# Altium PCB USB HUB3.0-PCB.PcbDoc (part 3 of 3)
Units mil, origin at the board's own origin, x right, y up, seen from the top; angles counter-clockwise.
Board outline 2950 x 3195 mil, 4 copper layers (TOP, GND02, PWR03, BOTTOM), stack 61.811 mil thick; 109 components, 81 nets, 1499 pads, 622 vias.
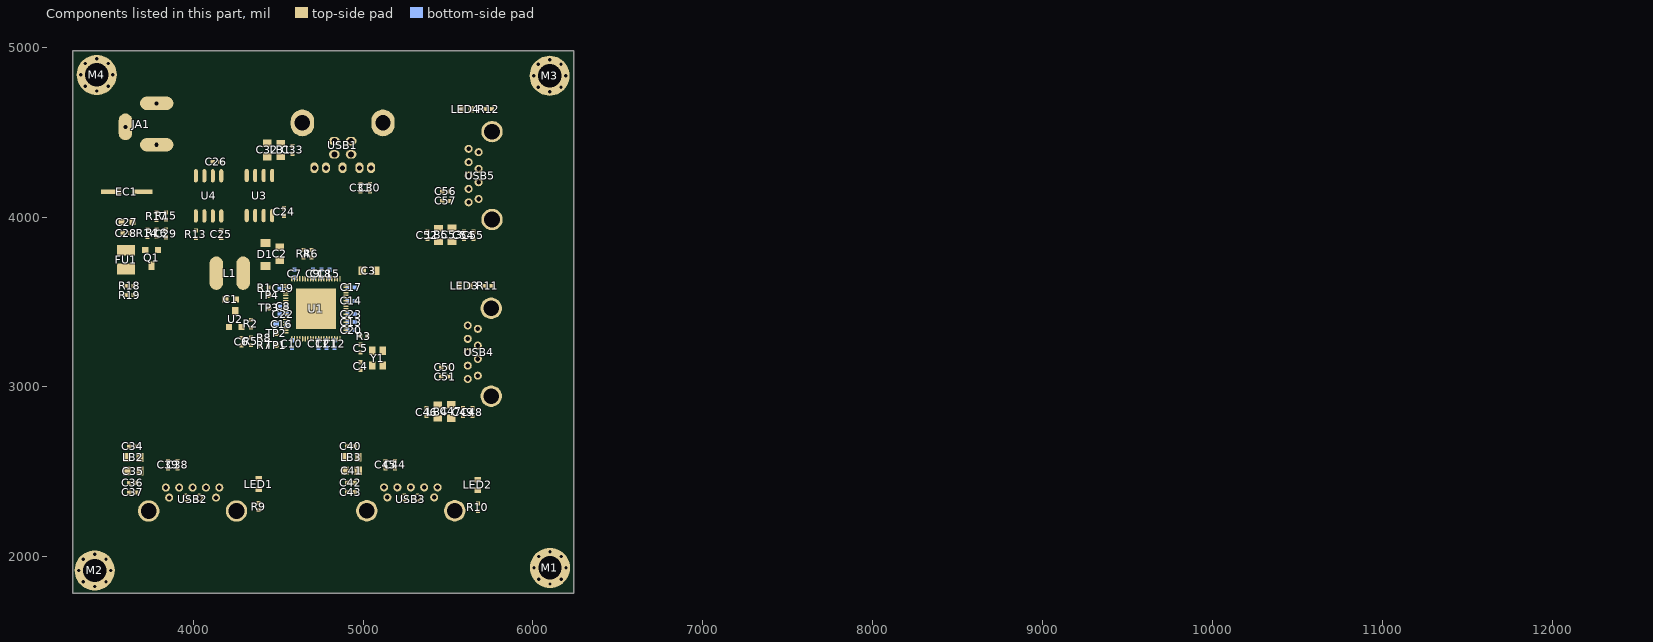
[diagram p5: the components of this part, seen from the top]

## Silkscreen, mask and mechanical layers (free items; w line width, h text height) (continued)
Drill Drawing:
  circle w10: c373.12,8183.33 r33.33
  circle w10: c373.12,7133.33 r20
  circle w10: c373.12,7133.33 r33.33
  lines w10: 339.79,6716.67 406.45,6716.67 373.12,6650 339.79,6716.67 ; 339.79,6800 339.79,6816.67 356.45,6833.33 339.79,6850 339.79,6866.67 356.45,6866.67 373.12,6850 389.79,6866.67 406.45,6866.67 406.45,6850 389.79,6833.33 406.45,6816.67 406.45,6800 389.79,6800 373.12,6816.67 356.45,6800 339.79,6800 ; 339.79,6983.33 373.12,6950 406.45,6983.33 373.12,7016.67 339.79,6983.33 ; 339.79,7266.67 356.45,7266.67 356.45,7250 389.79,7250 389.79,7266.67 406.45,7266.67 406.45,7300 389.79,7300 389.79,7316.67 356.45,7316.67 356.45,7300 339.79,7300 339.79,7266.67 ; 339.79,7400 373.12,7416.67 406.45,7400 389.79,7433.33 406.45,7466.67 373.12,7450 339.79,7466.67 356.45,7433.33 339.79,7400 ; 339.79,7550 406.45,7550 406.45,7616.67 339.79,7616.67 339.79,7550 ; 339.79,7766.67 406.45,7766.67 373.12,7700 339.79,7766.67 ; 339.79,7866.67 356.45,7866.67 373.12,7850 389.79,7866.67 406.45,7866.67 389.79,7883.33 406.45,7900 389.79,7900 373.12,7916.67 356.45,7900 339.79,7900 356.45,7883.33 339.79,7866.67 ; 339.79,8000 406.45,8000 406.45,8066.67 339.79,8066.67 339.79,8000 ; 353.12,6703.33 393.12,6703.33 373.12,6663.33 353.12,6703.33 ; 353.12,7563.33 393.12,7563.33 393.12,7603.33 353.12,7603.33 353.12,7563.33
  lines w15: 280,6605 13628.24,6605 ; 280,8255 13628.24,8255 ; 830.87,6455 830.87,8405 ; 1420.72,6455 1420.72,8405 ; 2570.38,6455 2570.38,8405 ; 3076.26,6455 3076.26,8405 ; 3810.06,6455 3810.06,8405 ; 4999.71,6455 4999.71,8405 ; 5589.56,6455 5589.56,8405 ; 6335.36,6455 6335.36,8405 ; 7555,6455 7555,8405 ; 8408.76,6455 8408.76,8405 ; 9742.37,6455 9742.37,8405 ; 11075.98,6455 11075.98,8405 ; 12225.64,6455 12225.64,8405 ; 280,6455 13628.24,6455 13628.24,8405 280,8405 280,6455
  text "Symbol" at 370,8300 h72
  text "Count" at 875.87,8300 h72
  text "Hole Size" at 1465.72,8300 h72
  text "Plated" at 2615.38,8300 h72
  text "Hole Type" at 3121.26,8300 h72
  text "Drill Layer Pair" at 3855.06,8300 h72
  text "Via/Pad" at 5044.71,8300 h72
  text "Pad Shape" at 5634.56,8300 h72
  text "Template" at 6380.36,8300 h72
  text "Description" at 7600,8300 h72
  text "Hole Tolerance (+)" at 8453.76,8300 h72
  text "Hole Tolerance (-)" at 9787.37,8300 h72
  text "Hole Length" at 11120.98,8300 h72
  text "Routed Path Length" at 12270.64,8300 h72
  text "1" at 875.87,8150 h60
  text "23.62mil (0.600mm)" at 1465.72,8150 h60
  text "PTH" at 2615.38,8150 h60
  text "Slot" at 3121.26,8150 h60
  text "TOP - BOTTOM" at 3855.06,8150 h60
  text "Pad" at 5044.71,8150 h60
  text "Rounded" at 5634.56,8150 h60
  text "r400_200h60_250r100" at 6380.36,8150 h60
  text "98.43mil (2.500mm)" at 11120.98,8150 h60
  text "74.80mil (1.900mm)" at 12270.64,8150 h60
  text "2" at 875.87,8000 h60
  text "23.62mil (0.600mm)" at 1465.72,8000 h60
  text "PTH" at 2615.38,8000 h60
  text "Slot" at 3121.26,8000 h60
  text "TOP - BOTTOM" at 3855.06,8000 h60
  text "Pad" at 5044.71,8000 h60
  text "Rounded" at 5634.56,8000 h60
  text "r500_200h60_350r100" at 6380.36,8000 h60
  text "137.79mil (3.500mm)" at 11120.98,8000 h60
  text "114.17mil (2.900mm)" at 12270.64,8000 h60
  text "2" at 875.87,7850 h60
  text "90.55mil (2.300mm)" at 1465.72,7850 h60
  text "PTH" at 2615.38,7850 h60
  text "Round" at 3121.26,7850 h60
  text "TOP - BOTTOM" at 3855.06,7850 h60
  text "Pad" at 5044.71,7850 h60
  text "Rounded" at 5634.56,7850 h60
  text "r350_400h230r100" at 6380.36,7850 h60
  text "-" at 11120.98,7850 h60
  text "-" at 12270.64,7850 h60
  text "4" at 875.87,7700 h60
  text "36.22mil (0.920mm)" at 1465.72,7700 h60
  text "PTH" at 2615.38,7700 h60
  text "Round" at 3121.26,7700 h60
  text "TOP - BOTTOM" at 3855.06,7700 h60
  text "Pad" at 5044.71,7700 h60
  text "Rounded" at 5634.56,7700 h60
  text "r160_127h92r100" at 6380.36,7700 h60
  text "-" at 11120.98,7700 h60
  text "-" at 12270.64,7700 h60
  text "4" at 875.87,7550 h60
  text "137.79mil (3.500mm)" at 1465.72,7550 h60
  text "PTH" at 2615.38,7550 h60
  text "Round" at 3121.26,7550 h60
  text "TOP - BOTTOM" at 3855.06,7550 h60
  text "Pad" at 5044.71,7550 h60
  text "Rounded" at 5634.56,7550 h60
  text "c600h350" at 6380.36,7550 h60
  text "-" at 11120.98,7550 h60
  text "-" at 12270.64,7550 h60
  text "5" at 875.87,7400 h60
  text "29.53mil (0.750mm)" at 1465.72,7400 h60
  text "PTH" at 2615.38,7400 h60
  text "Round" at 3121.26,7400 h60
  text "TOP - BOTTOM" at 3855.06,7400 h60
  text "Pad" at 5044.71,7400 h60
  text "Rounded" at 5634.56,7400 h60
  text "r120_160h75r100" at 6380.36,7400 h60
  text "-" at 11120.98,7400 h60
  text "-" at 12270.64,7400 h60
  text "8" at 875.87,7250 h60
  text "92.52mil (2.350mm)" at 1465.72,7250 h60
  text "PTH" at 2615.38,7250 h60
  text "Round" at 3121.26,7250 h60
  text "TOP - BOTTOM" at 3855.06,7250 h60
  text "Pad" at 5044.71,7250 h60
  text "Rounded" at 5634.56,7250 h60
  text "c320h235" at 6380.36,7250 h60
  text "-" at 11120.98,7250 h60
  text "-" at 12270.64,7250 h60
  text "24" at 875.87,7100 h60
  text "12.99mil (0.330mm)" at 1465.72,7100 h60
  text "PTH" at 2615.38,7100 h60
  text "Round" at 3121.26,7100 h60
  text "TOP - BOTTOM" at 3855.06,7100 h60
  text "Via" at 5044.71,7100 h60
  text "Rounded" at 5634.56,7100 h60
  text "v66h33" at 6380.36,7100 h60
  text "-" at 11120.98,7100 h60
  text "-" at 12270.64,7100 h60
  text "32" at 875.87,6950 h60
  text "19.69mil (0.500mm)" at 1465.72,6950 h60
  text "PTH" at 2615.38,6950 h60
  text "Round" at 3121.26,6950 h60
  text "TOP - BOTTOM" at 3855.06,6950 h60
  text "Pad" at 5044.71,6950 h60
  text "Rounded" at 5634.56,6950 h60
  text "c50h50" at 6380.36,6950 h60
  text "-" at 11120.98,6950 h60
  text "-" at 12270.64,6950 h60
  text "36" at 875.87,6800 h60
  text "27.56mil (0.700mm)" at 1465.72,6800 h60
  text "PTH" at 2615.38,6800 h60
  text "Round" at 3121.26,6800 h60
  text "TOP - BOTTOM" at 3855.06,6800 h60
  text "Pad" at 5044.71,6800 h60
  text "Rounded" at 5634.56,6800 h60
  text "c120h70" at 6380.36,6800 h60
  text "-" at 11120.98,6800 h60
  text "-" at 12270.64,6800 h60
  text "598" at 875.87,6650 h60
  text "12.00mil (0.305mm)" at 1465.72,6650 h60
  text "PTH" at 2615.38,6650 h60
  text "Round" at 3121.26,6650 h60
  text "TOP - BOTTOM" at 3855.06,6650 h60
  text "Via" at 5044.71,6650 h60
  text "Rounded" at 5634.56,6650 h60
  text "(Mixed)" at 6380.36,6650 h60
  text "-" at 11120.98,6650 h60
  text "-" at 12270.64,6650 h60
  text "716 Total" at 875.87,6500 h60
  text "Slot definitions :" at 370,6355.03 h60
  text "Routed Path Length" at 1402.69,6355.03 h60
  text "= Calculated from tool start centre position to tool end centre position." at 2505.35,6355.03 h60
  text "Hole Length" at 1402.69,6255.05 h60
  text "= Routed Path Length + Tool Size = Slot length as defined in the PCB layout" at 2095.49,6255.05 h60

## Dimensions
3290,1785 to 6240,1785 on Dimensions
6240,1785 to 6240,4980 on Dimensions